# KiCad board panel.opm-inline.kicad_pcb (continued)
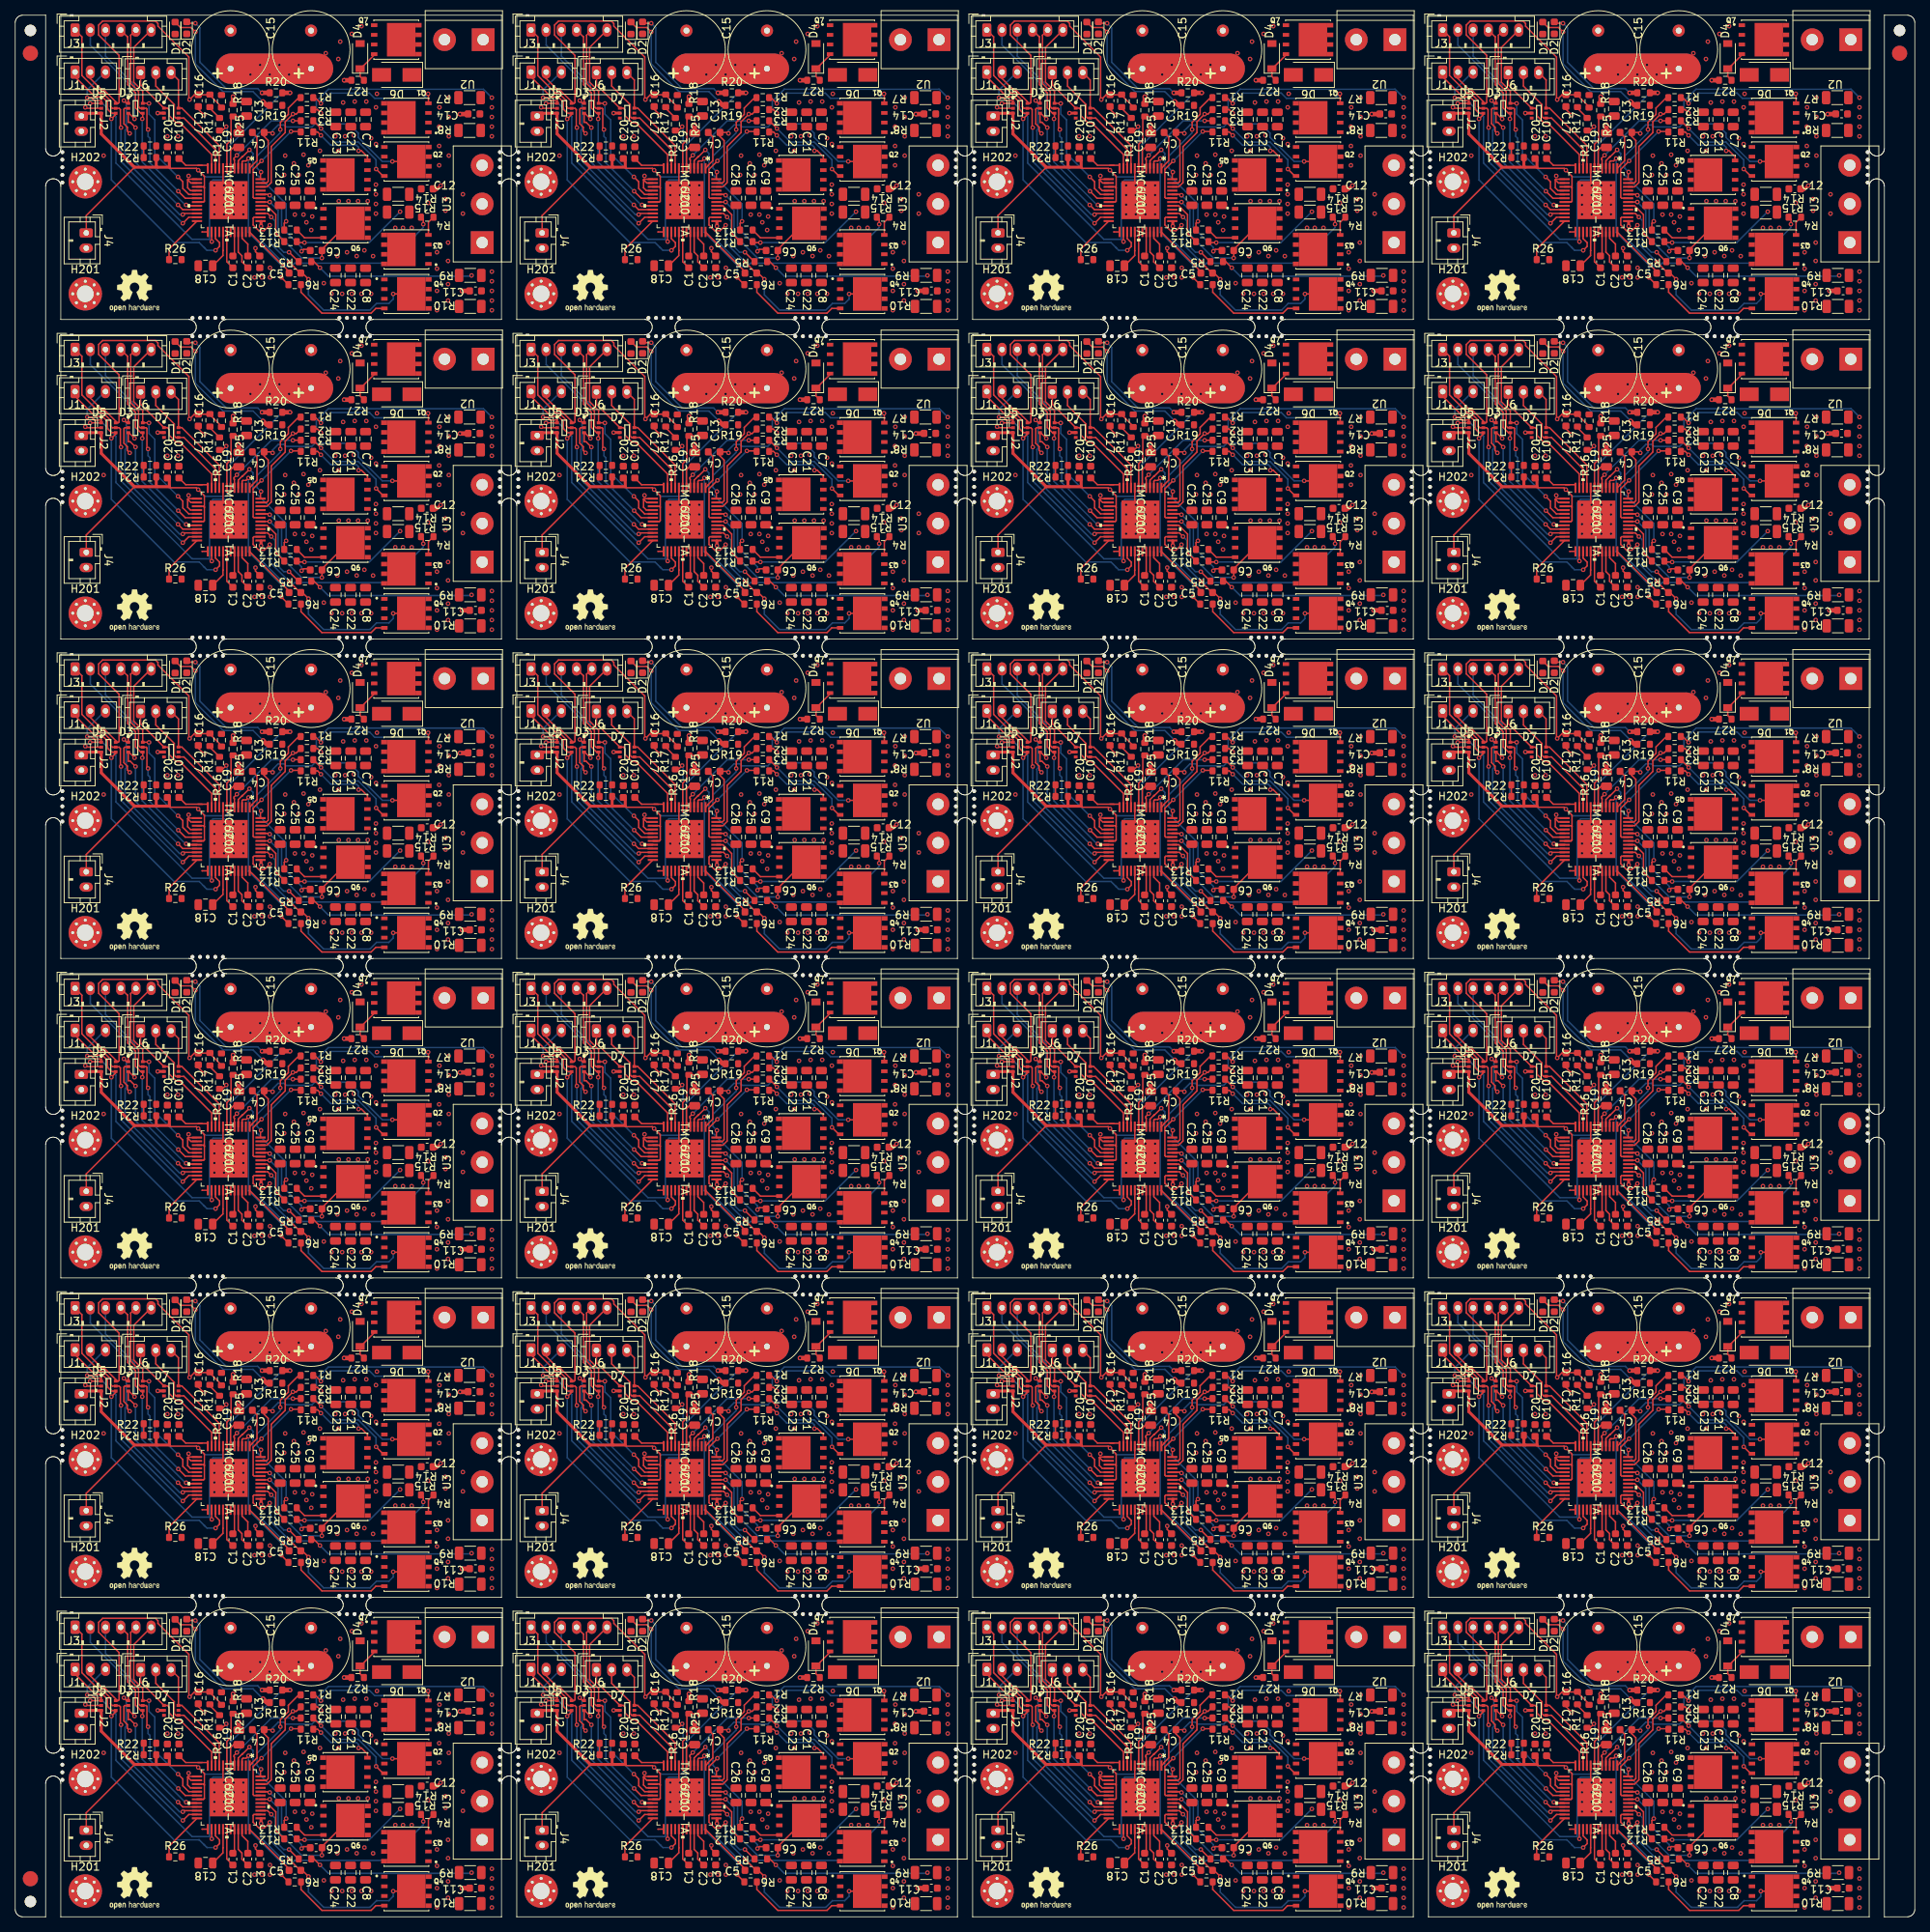
[diagram p0: board, top side]
## Placement (name value [footprint] x y rotation side) (continued)
REF**#473  -  [NPTH]  46.63 42.19 0 top
REF**#474  -  [NPTH]  163.54 84.18 0 top
REF**#475  -  [NPTH]  163.54 42.19 0 top
REF**#476  -  [NPTH]  85.27 126.17 0 top
REF**#477  -  [NPTH]  205.17 123.77 0 top
REF**#478  -  [NPTH]  243.61 231.96 0 top
REF**#479  -  [NPTH]  63.75 188.96 0 top
REF**#480  -  [NPTH]  165.54 84.18 0 top
REF**#481  -  [NPTH]  123.71 104.98 0 top
REF**#482  -  [NPTH]  222.49 126.17 0 top
REF**#483  -  [NPTH]  126.11 229.96 0 top
REF**#484  -  [NPTH]  126.11 228.96 0 top
REF**#485  -  [NPTH]  123.71 60.99 0 top
REF**#486  -  [NPTH]  84.27 84.18 0 top
REF**#487  -  [NPTH]  183.66 20 0 top
REF**#488  -  [NPTH]  243.61 227.96 0 top
REF**#489  -  [NPTH]  207.17 168.16 0 top
REF**#490  -  [NPTH]  183.66 22 0 top
REF**#491  -  [NPTH]  123.71 185.96 0 top
REF**#492  -  [NPTH]  224.49 123.77 0 top
REF**#493  -  [NPTH]  63.75 105.98 0 top
REF**#494  -  [NPTH]  126.11 189.96 0 top
REF**#495  -  [NPTH]  23.31 210.16 0 top
REF**#496  -  [NPTH]  243.61 143.97 0 top
REF**#497  -  [NPTH]  206.17 123.77 0 top
REF**#498  -  [NPTH]  44.63 81.78 0 top
REF**#499  -  [NPTH]  206.17 168.16 0 top
REF**#500  -  [NPTH]  183.66 104.98 0 top
REF**#501  -  [NPTH]  126.11 22 0 top
REF**#502  -  [NPTH]  63.75 63.99 0 top
REF**#503  -  [NPTH]  86.27 210.16 0 top
REF**#504  -  [NPTH]  63.75 145.97 0 top
REF**#505  -  [NPTH]  126.11 187.96 0 top
REF**#506  -  [NPTH]  6.2 143.97 0 top
REF**#507  -  [NPTH]  46.63 81.78 0 top
REF**#508  -  [NPTH]  126.11 21 0 top
REF**#509  -  [NPTH]  42.63 84.18 0 top
REF**#510  -  [NPTH]  243.61 21 0 top
REF**#511  -  [NPTH]  6.2 22 0 top
REF**#512  -  [NPTH]  27.31 210.16 0 top
REF**#513  -  [NPTH]  203.17 207.75 0 top
REF**#514  -  [NPTH]  66.16 59.99 0 top
REF**#515  -  [NPTH]  162.54 42.19 0 top
REF**#516  -  [NPTH]  123.71 187.96 0 top
REF**#517  -  [NPTH]  222.49 168.16 0 top
REF**#518  -  [NPTH]  103.59 207.75 0 top
REF**#519  -  [NPTH]  46.63 84.18 0 top
REF**#520  -  [NPTH]  225.49 165.76 0 top
REF**#521  -  [NPTH]  25.31 39.79 0 top
REF**#522  -  [NPTH]  104.59 168.16 0 top
REF**#523  -  [NPTH]  203.17 210.16 0 top
REF**#524  -  [NPTH]  205.17 42.19 0 top
REF**#525  -  [NPTH]  183.66 228.96 0 top
REF**#526  -  [NPTH]  223.49 210.16 0 top
REF**#527  -  [NPTH]  105.59 207.75 0 top
REF**#528  -  [NPTH]  27.31 123.77 0 top
REF**#529  -  [NPTH]  243.61 102.98 0 top
REF**#530  -  [NPTH]  126.11 231.96 0 top
REF**#531  -  [NPTH]  223.49 42.19 0 top
REF**#532  -  [NPTH]  243.61 20 0 top
REF**#533  -  [NPTH]  183.66 62.99 0 top
REF**#534  -  [NPTH]  43.63 123.77 0 top
REF**#535  -  [NPTH]  26.31 210.16 0 top
REF**#536  -  [NPTH]  24.31 81.78 0 top
REF**#537  -  [NPTH]  126.11 103.98 0 top
REF**#538  -  [NPTH]  224.49 42.19 0 top
REF**#539  -  [NPTH]  85.27 42.19 0 top
REF**#540  -  [NPTH]  24.31 168.16 0 top
REF**#541  -  [NPTH]  186.06 102.98 0 top
REF**#542  -  [NPTH]  126.11 102.98 0 top
REF**#543  -  [NPTH]  23.31 126.17 0 top
REF**#544  -  [NPTH]  183.66 144.97 0 top
REF**#545  -  [NPTH]  144.22 168.16 0 top
REF**#546  -  [NPTH]  205.17 39.79 0 top
REF**#547  -  [NPTH]  102.59 39.79 0 top
REF**#548  -  [NPTH]  46.63 210.16 0 top
REF**#549  -  [NPTH]  183.66 102.98 0 top
REF**#550  -  [NPTH]  147.22 84.18 0 top
REF**#551  -  [NPTH]  123.71 63.99 0 top
REF**#552  -  [NPTH]  25.31 84.18 0 top
REF**#553  -  [NPTH]  204.17 39.79 0 top
REF**#554  -  [NPTH]  106.59 42.19 0 top
REF**#555  -  [NPTH]  224.49 126.17 0 top
REF**#556  -  [NPTH]  186.06 227.96 0 top
REF**#557  -  [NPTH]  143.22 207.75 0 top
REF**#558  -  [NPTH]  63.75 228.96 0 top
REF**#559  -  [NPTH]  164.54 165.76 0 top
REF**#560  -  [NPTH]  66.16 20 0 top
REF**#561  -  [NPTH]  143.22 168.16 0 top
REF**#562  -  [NPTH]  203.17 165.76 0 top
REF**#563  -  [NPTH]  63.75 18 0 top
REF**#564  -  [NPTH]  27.31 81.78 0 top
REF**#565  -  [NPTH]  162.54 39.79 0 top
REF**#566  -  [NPTH]  63.75 147.97 0 top
REF**#567  -  [NPTH]  123.71 105.98 0 top
REF**#568  -  [NPTH]  43.63 81.78 0 top
REF**#569  -  [NPTH]  162.54 168.16 0 top
REF**#570  -  [NPTH]  66.16 104.98 0 top
REF**#571  -  [NPTH]  6.2 187.96 0 top
REF**#572  -  [NPTH]  144.22 81.78 0 top
REF**#573  -  [NPTH]  207.17 81.78 0 top
REF**#574  -  [NPTH]  83.27 165.76 0 top
REF**#575  -  [NPTH]  106.59 168.16 0 top
REF**#576  -  [NPTH]  6.2 230.96 0 top
REF**#577  -  [NPTH]  85.27 39.79 0 top
REF**#578  -  [NPTH]  66.16 62.99 0 top
REF**#579  -  [NPTH]  44.63 84.18 0 top
REF**#580  -  [NPTH]  165.54 165.76 0 top
REF**#581  -  [NPTH]  123.71 22 0 top
REF**#582  -  [NPTH]  243.61 62.99 0 top
REF**#583  -  [NPTH]  183.66 18 0 top
REF**#584  -  [NPTH]  224.49 207.75 0 top
REF**#585  -  [NPTH]  126.11 143.97 0 top
REF**#586  -  [NPTH]  66.16 186.96 0 top
REF**#587  -  [NPTH]  63.75 143.97 0 top
REF**#588  -  [NPTH]  87.27 207.75 0 top
REF**#589  -  [NPTH]  27.31 39.79 0 top
REF**#590  -  [NPTH]  225.49 207.75 0 top
REF**#591  -  [NPTH]  243.61 145.97 0 top
REF**#592  -  [NPTH]  123.71 62.99 0 top
REF**#593  -  [NPTH]  25.31 207.75 0 top
REF**#594  -  [NPTH]  206.17 84.18 0 top
REF**#595  -  [NPTH]  6.2 188.96 0 top
REF**#596  -  [NPTH]  207.17 123.77 0 top
REF**#597  -  [NPTH]  183.66 231.96 0 top
REF**#598  -  [NPTH]  166.54 42.19 0 top
REF**#599  -  [NPTH]  166.54 39.79 0 top
REF**#600  -  [NPTH]  63.75 102.98 0 top
REF**#601  -  [NPTH]  243.61 63.99 0 top
REF**#602  -  [NPTH]  147.22 126.17 0 top
REF**#603  -  [NPTH]  166.54 84.18 0 top
REF**#604  -  [NPTH]  24.31 84.18 0 top
REF**#605  -  [NPTH]  43.63 42.19 0 top
REF**#606  -  [NPTH]  6.2 62.99 0 top
REF**#607  -  [NPTH]  104.59 42.19 0 top
REF**#608  -  [NPTH]  183.66 105.98 0 top
REF**#609  -  [NPTH]  186.06 22 0 top
REF**#610  -  [NPTH]  164.54 210.16 0 top
REF**#611  -  [NPTH]  204.17 81.78 0 top
REF**#612  -  [NPTH]  243.61 60.99 0 top
REF**#613  -  [NPTH]  123.71 103.98 0 top
REF**#614  -  [NPTH]  206.17 207.75 0 top
REF**#615  -  [NPTH]  225.49 42.19 0 top
REF**#616  -  [NPTH]  204.17 165.76 0 top
REF**#617  -  [NPTH]  105.59 39.79 0 top
REF**#618  -  [NPTH]  186.06 187.96 0 top
REF**#619  -  [NPTH]  63.75 144.97 0 top
REF**#620  -  [NPTH]  146.22 210.16 0 top
REF**#621  -  [NPTH]  186.06 60.99 0 top
REF**#622  -  [NPTH]  222.49 84.18 0 top
REF**#623  -  [NPTH]  63.75 227.96 0 top
REF**#624  -  [NPTH]  45.63 207.75 0 top
REF**#625  -  [NPTH]  145.22 81.78 0 top
REF**#626  -  [NPTH]  26.31 84.18 0 top
REF**#627  -  [NPTH]  102.59 123.77 0 top
REF**#628  -  [NPTH]  183.66 147.97 0 top
REF**#629  -  [NPTH]  183.66 61.99 0 top
REF**#630  -  [NPTH]  44.63 210.16 0 top
REF**#631  -  [NPTH]  66.16 189.96 0 top
REF**#632  -  [NPTH]  25.31 81.78 0 top
REF**#633  -  [NPTH]  183.66 189.96 0 top
REF**#634  -  [NPTH]  123.71 61.99 0 top
REF**#635  -  [NPTH]  225.49 81.78 0 top
REF**#636  -  [NPTH]  203.17 168.16 0 top
REF**#637  -  [NPTH]  223.49 165.76 0 top
REF**#638  -  [NPTH]  164.54 168.16 0 top
REF**#639  -  [NPTH]  183.66 185.96 0 top
REF**#640  -  [Fiducial]  2 244.95 0 top
REF**#641  -  [NPTH]  162.54 210.16 0 top
REF**#642  -  [NPTH]  66.16 60.99 0 top
REF**#643  -  [NPTH]  106.59 207.75 0 top
REF**#644  -  [NPTH]  183.66 103.98 0 top
REF**#645  -  [NPTH]  63.75 61.99 0 top
REF**#646  -  [NPTH]  123.71 146.97 0 top
REF**#647  -  [Fiducial]  247.8 244.95 0 bottom
REF**#648  -  [Fiducial]  2 244.95 0 bottom
REF**#649  -  [Fiducial]  2 5 0 bottom
U2  TerminalBlock_2_P5.08mm  [TerminalBlock_bornier-2_P5.08mm]  241.39 120.77 180 top
U2#2  TerminalBlock_2_P5.08mm  [TerminalBlock_bornier-2_P5.08mm]  121.49 162.76 180 top
U2#3  TerminalBlock_2_P5.08mm  [TerminalBlock_bornier-2_P5.08mm]  181.44 120.77 180 top
U2#4  TerminalBlock_2_P5.08mm  [TerminalBlock_bornier-2_P5.08mm]  61.54 36.79 180 top
U2#5  TerminalBlock_2_P5.08mm  [TerminalBlock_bornier-2_P5.08mm]  241.39 78.78 180 top
U2#6  TerminalBlock_2_P5.08mm  [TerminalBlock_bornier-2_P5.08mm]  181.44 162.76 180 top
U2#7  TerminalBlock_2_P5.08mm  [TerminalBlock_bornier-2_P5.08mm]  121.49 36.79 180 top
U2#8  TerminalBlock_2_P5.08mm  [TerminalBlock_bornier-2_P5.08mm]  241.39 204.75 180 top
U2#9  TerminalBlock_2_P5.08mm  [TerminalBlock_bornier-2_P5.08mm]  181.44 36.79 180 top
U2#10  TerminalBlock_2_P5.08mm  [TerminalBlock_bornier-2_P5.08mm]  121.49 120.77 180 top
U2#11  TerminalBlock_2_P5.08mm  [TerminalBlock_bornier-2_P5.08mm]  181.44 246.74 180 top
U2#12  TerminalBlock_2_P5.08mm  [TerminalBlock_bornier-2_P5.08mm]  61.54 78.78 180 top
U2#13  TerminalBlock_2_P5.08mm  [TerminalBlock_bornier-2_P5.08mm]  61.54 120.77 180 top
U2#14  TerminalBlock_2_P5.08mm  [TerminalBlock_bornier-2_P5.08mm]  241.39 246.74 180 top
U2#15  TerminalBlock_2_P5.08mm  [TerminalBlock_bornier-2_P5.08mm]  241.39 162.76 180 top
U2#16  TerminalBlock_2_P5.08mm  [TerminalBlock_bornier-2_P5.08mm]  181.44 204.75 180 top
U2#17  TerminalBlock_2_P5.08mm  [TerminalBlock_bornier-2_P5.08mm]  121.49 78.78 180 top
U2#18  TerminalBlock_2_P5.08mm  [TerminalBlock_bornier-2_P5.08mm]  61.54 246.74 180 top
U2#19  TerminalBlock_2_P5.08mm  [TerminalBlock_bornier-2_P5.08mm]  121.49 204.75 180 top
U2#20  TerminalBlock_2_P5.08mm  [TerminalBlock_bornier-2_P5.08mm]  181.44 78.78 180 top
U2#21  TerminalBlock_2_P5.08mm  [TerminalBlock_bornier-2_P5.08mm]  121.49 246.74 180 top
U2#22  TerminalBlock_2_P5.08mm  [TerminalBlock_bornier-2_P5.08mm]  61.54 162.76 180 top
U2#23  TerminalBlock_2_P5.08mm  [TerminalBlock_bornier-2_P5.08mm]  241.39 36.79 180 top
U2#24  TerminalBlock_2_P5.08mm  [TerminalBlock_bornier-2_P5.08mm]  61.54 204.75 180 top
U3  TerminalBlock_3_P5.08mm  [TerminalBlock_bornier-3_P5.08mm]  181.31 136.09 90 top
U3#2  TerminalBlock_3_P5.08mm  [TerminalBlock_bornier-3_P5.08mm]  121.36 52.11 90 top
U3#3  TerminalBlock_3_P5.08mm  [TerminalBlock_bornier-3_P5.08mm]  241.26 94.1 90 top
U3#4  TerminalBlock_3_P5.08mm  [TerminalBlock_bornier-3_P5.08mm]  241.26 52.11 90 top
U3#5  TerminalBlock_3_P5.08mm  [TerminalBlock_bornier-3_P5.08mm]  61.41 10.12 90 top
U3#6  TerminalBlock_3_P5.08mm  [TerminalBlock_bornier-3_P5.08mm]  61.41 94.1 90 top
U3#7  TerminalBlock_3_P5.08mm  [TerminalBlock_bornier-3_P5.08mm]  121.36 178.08 90 top
U3#8  TerminalBlock_3_P5.08mm  [TerminalBlock_bornier-3_P5.08mm]  61.41 220.07 90 top
U3#9  TerminalBlock_3_P5.08mm  [TerminalBlock_bornier-3_P5.08mm]  241.26 136.09 90 top
U3#10  TerminalBlock_3_P5.08mm  [TerminalBlock_bornier-3_P5.08mm]  181.31 220.07 90 top
U3#11  TerminalBlock_3_P5.08mm  [TerminalBlock_bornier-3_P5.08mm]  121.36 94.1 90 top
U3#12  TerminalBlock_3_P5.08mm  [TerminalBlock_bornier-3_P5.08mm]  241.26 220.07 90 top
U3#13  TerminalBlock_3_P5.08mm  [TerminalBlock_bornier-3_P5.08mm]  61.41 136.09 90 top
U3#14  TerminalBlock_3_P5.08mm  [TerminalBlock_bornier-3_P5.08mm]  181.31 178.08 90 top
U3#15  TerminalBlock_3_P5.08mm  [TerminalBlock_bornier-3_P5.08mm]  61.41 52.11 90 top
U3#16  TerminalBlock_3_P5.08mm  [TerminalBlock_bornier-3_P5.08mm]  241.26 178.08 90 top
U3#17  TerminalBlock_3_P5.08mm  [TerminalBlock_bornier-3_P5.08mm]  121.36 10.12 90 top
U3#18  TerminalBlock_3_P5.08mm  [TerminalBlock_bornier-3_P5.08mm]  181.31 52.11 90 top
U3#19  TerminalBlock_3_P5.08mm  [TerminalBlock_bornier-3_P5.08mm]  181.31 10.12 90 top
U3#20  TerminalBlock_3_P5.08mm  [TerminalBlock_bornier-3_P5.08mm]  181.31 94.1 90 top
U3#21  TerminalBlock_3_P5.08mm  [TerminalBlock_bornier-3_P5.08mm]  241.26 10.12 90 top
U3#22  TerminalBlock_3_P5.08mm  [TerminalBlock_bornier-3_P5.08mm]  121.36 220.07 90 top
U3#23  TerminalBlock_3_P5.08mm  [TerminalBlock_bornier-3_P5.08mm]  121.36 136.09 90 top
U3#24  TerminalBlock_3_P5.08mm  [TerminalBlock_bornier-3_P5.08mm]  61.41 178.08 90 top

## Library data of the parts
C1 C1#2-C1#24 = -: LCSC: C313105; manf_num: CC0603KRX7R0BB223
C2 C2#2-C2#24 C3 C3#2-C3#24 C18 C18#2-C18#24 = -: LCSC: C106243; manf_num: CC0805KKX7R0BB104
C4 C4#2-C4#24 C5 C5#2-C5#24 C6 C6#2-C6#24 = -: LCSC: C19666; manf_num: CL10A475KO8NNNC
C7 C7#2-C7#24 C8 C8#2-C8#24 C9 C9#2-C9#24 C21 C21#2-C21#24 C22 C22#2-C22#24 C23 C23#2-C23#24 C24 C24#2-C24#24 C25 C25#2-C25#24 C26 C26#2-C26#24 = -: LCSC: C697607; manf_num  : HMK325C7475KN-TE
C10 C10#2-C10#24 C17 C17#2-C17#24 C20 C20#2-C20#24 = -: LCSC: C14663; manf_num: CC0603KRX7R9BB104
C11 C11#2-C11#24 C12 C12#2-C12#24 C14 C14#2-C14#24 = -: LCSC: C342905; manf_num: CGA3E2X7R2A102KT0Y0N
C13 C13#2-C13#24 C19 C19#2-C19#24 = -: LCSC: C49217; alt: UMK212BB7225KG-T; manf_num: 0805F225M500NT
C15 C15#2-C15#24 C16 C16#2-C16#24 = -: LCSC: C338235; manf_num: 63ZLH330MEFC10X23
D1 D1#2-D1#24 = -: Info: Green; LCSC: C72043; manf_num: 19-217/GHC-YR1S2/3T
D2 D2#2-D2#24 = -: Info: Red; LCSC: C2286; manf_num: KT-0603R
D3 D3#2-D3#24 D5 D5#2-D5#24 D7 D7#2-D7#24 = -: LCSC: C463643
D4 D4#2-D4#24 = -: LCSC: C82084; manf_num: MMSZ5240BT1G
D6 D6#2-D6#24 = -: LCSC: C523249; manf_num: SMA(DO-214AC)
H201 H201#2-H201#24 H202 H202#2-H202#24 IC1 IC1#2-IC1#24 = -: JLCPCB BOM: No
HS1 HS1#2-HS1#24 = -: back: Libraries:Heatsink_30x30mm_2xFixation3mm
J1 J1#2-J1#24 = -: LCSC: C131339; comment: copper when possible over brass; manf_num: B3B-PH-K-S(LF)(SN)
J2 J2#2-J2#24 J4 J4#2-J4#24 = -: LCSC: C131337; manf_num: B2B-PH-K-S(LF)(SN)
J3 J3#2-J3#24 = -: LCSC: C265365; comment: copper when possible over brass; manf_num: B6B-PH-KL(LF)(SN)
J6 J6#2-J6#24 = -: LCSC: C131339; manf_num: B3B-PH-K-S(LF)(SN)
Q1 Q1#2-Q1#24 Q2 Q2#2-Q2#24 Q3 Q3#2-Q3#24 Q4 Q4#2-Q4#24 Q5 Q5#2-Q5#24 Q6 Q6#2-Q6#24 = -: LCSC: C2827231
Q7 Q7#2-Q7#24 = -: LCSC: C719104
R1 R1#2-R1#24 R3 R3#2-R3#24 R4 R4#2-R4#24 R6 R6#2-R6#24 R11 R11#2-R11#24 R13 R13#2-R13#24 = -: LCSC: C22939; manf_num: 0603WAF220KT5E
R2 R2#2-R2#24 R5 R5#2-R5#24 R12 R12#2-R12#24 = -: LCSC: C22859; alt: AC0603FR-0710RL; manf_num: 0603WAF100JT5E
R7 R7#2-R7#24 R8 R8#2-R8#24 R9 R9#2-R9#24 R10 R10#2-R10#24 R14 R14#2-R14#24 R15 R15#2-R15#24 = -: LCSC: C601096; manf_num: HoLR1206-1W-5mR-1%-75ppm
R16 R16#2-R16#24 = -: LCSC: C13564; manf_num: NCP18XH103F03RB
R17 R17#2-R17#24 R18 R18#2-R18#24 = -: LCSC: C23162; manf_num: 0603WAF4701T5E
R19 R19#2-R19#24 R21 R21#2-R21#24 = -: LCSC: C21190; manf_num: 0603WAF1001T5E
R20 R20#2-R20#24 = -: LCSC: C22808; manf_num: 0603WAF1500T5E
R22 R22#2-R22#24 = -: LCPCB BOM: No
R25 R25#2-R25#24 R26 R26#2-R26#24 = -: LCSC: C21189; alt: RC0603FR-070RL; manf_num: 0603WAF0000T5E
R27 R27#2-R27#24 = -: LCSC: C25803; manf_num: 0603WAF1003T5E
U2 U2#2-U2#24 = -: LCSC: C8465; manf_num: WJ500V-5.08-2P
U3 U3#2-U3#24 = -: LCSC: C72334; manf_num: WJ500V-5.08-3P

## Footprints (pads in the part's own frame, mm; a bottom-side part is the same pattern mirrored in y, then rotated)
C_0603_1608Metric
  rrect 0.9x0.95 smd: 1(-0.775,0) 2(0.775,0)
C_0805_2012Metric
  rrect 1x1.45 smd: 1(-0.95,0) 2(0.95,0)
C_Radial_D10.0mm_H20.0mm_P5.00mm
  round 1.6 hole 0.8: 1(0,0) 2(5,0)
D_SMA
  rect 2.5x1.8 smd: 1(-2,0) 2(2,0)
D_SOD-123
  rect 0.9x1.2 smd: 1(-1.65,0) 2(1.65,0)
Fiducial
  round 2 smd: (0,0)
JST_PH_B2B-PH-K_1x02_P2.00mm_Vertical
  rrect 1.2x1.75 hole 0.75: 1(0,0)
  oval 1.2x1.75 hole 0.75: 2(2,0)
JST_PH_B3B-PH-K_1x03_P2.00mm_Vertical
  rrect 1.2x1.75 hole 0.75: 1(0,0)
  oval 1.2x1.75 hole 0.75: 2(2,0) 3(4,0)
JST_PH_B6B-PH-K_1x06_P2.00mm_Vertical
  rrect 1.2x1.75 hole 0.75: 1(0,0)
  oval 1.2x1.75 hole 0.75: 2(2,0) 3(4,0) 4(6,0) 5(8,0) 6(10,0)
LED_0603_1608Metric
  rrect 0.875x0.95 smd: 1(-0.787,0) 2(0.787,0)
MountingHole_2.2mm_M2_Pad_Via
  round 0.7 hole 0.4: 1(-1.65,0) 1(-1.167,1.167) 1(-1.167,-1.167) 1(0,1.65) 1(0,-1.65) 1(1.167,1.167) 1(1.167,-1.167) 1(1.65,0)
  round 4.4 hole 2.2: 1(0,0)
NPTH
  round 0.5 hole 0.5 unplated: (0,0)
NPTH#2
  round 1.5 hole 1.5 unplated: (0,0)
NUP4114UCW1T2G
  rect 0.5x0.4 smd: 1(-0.95,0.65) 2(-0.95,0) 3(-0.95,-0.65) 4(0.95,-0.65) 5(0.95,0) 6(0.95,0.65)
PDFN-8
  rect 0.85x0.5 smd: 1(-2.9,1.905) 2(-2.9,0.635) 3(-2.9,-0.635) 4(-2.9,-1.905)
  rect 3.75x4.41 smd: 5(0.65,0)
  rect 0.8x0.6 smd: 5(2.925,-1.905) 6(2.925,-0.635) 7(2.925,0.635) 8(2.925,1.905)
R_0603_1608Metric
  rrect 0.8x0.95 smd: 1(-0.825,0) 2(0.825,0)
R_1206_3216Metric
  rrect 1.125x1.75 smd: 1(-1.462,0) 2(1.462,0)
TerminalBlock_bornier-2_P5.08mm
  rect 3x3 hole 1.52: 1(0,0)
  round 3 hole 1.52: 2(5.08,0)
TerminalBlock_bornier-3_P5.08mm
  rect 3x3 hole 1.52: 1(0,0)
  round 3 hole 1.52: 2(5.08,0) 3(10.16,0)
TMC6200-TA
  rect 1.346x0.279 smd: 1(-4.178,2.75) 2(-4.178,2.25) 3(-4.178,1.75) 4(-4.178,1.25) 5(-4.178,0.75) 6(-4.178,0.25) 7(-4.178,-0.25) 8(-4.178,-0.75) 9(-4.178,-1.25) 10(-4.178,-1.75) 11(-4.178,-2.25) 12(-4.178,-2.75) 25(4.178,-2.75) 26(4.178,-2.25) 27(4.178,-1.75) 28(4.178,-1.25) 29(4.178,-0.75) 30(4.178,-0.25) 31(4.178,0.25) 32(4.178,0.75) 33(4.178,1.25) 34(4.178,1.75) 35(4.178,2.25) 36(4.178,2.75)
  rect 0.279x1.346 smd: 13(-2.75,-4.178) 14(-2.25,-4.178) 15(-1.75,-4.178) 16(-1.25,-4.178) 17(-0.75,-4.178) 18(-0.25,-4.178) 19(0.25,-4.178) 20(0.75,-4.178) 21(1.25,-4.178) 22(1.75,-4.178) 23(2.25,-4.178) 24(2.75,-4.178) 37(2.75,4.178) 38(2.25,4.178) 39(1.75,4.178) 40(1.25,4.178) 41(0.75,4.178) 42(0.25,4.178) 43(-0.25,4.178) 44(-0.75,4.178) 45(-1.25,4.178) 46(-1.75,4.178) 47(-2.25,4.178) 48(-2.75,4.178)
  rect 5.004x5.004 smd: EPAD(0,0)

## Nets
Board_0-/5Vout: C13#16.1 IC1#3.7 R25#18.1
Board_0-/12Vout: C19#8.1 IC1#3.6
Board_0-/+VCC_IO: C20#12.1 D5#18.3 IC1#3.15 IC1#3.19 J2#14.1 J4#11.1 R16#23.1 R21#9.1
Board_0-/Connectors/VCC: R19#14.2
Board_1-/5Vout: C13.1 IC1#16.7 R25.1
Board_1-/12Vout: C19#14.1 IC1#16.6
Board_1-/+VCC_IO: C20#7.1 D5#2.3 IC1#16.15 IC1#16.19 J2#23.1 J4#18.1 R16#11.1 R21#23.1
Board_1-/Connectors/VCC: R19.2
Board_2-/5Vout: C13#3.1 IC1#11.7 R25#6.1
Board_2-/12Vout: C19#20.1 IC1#11.6
Board_2-/+VCC_IO: C20#16.1 D5#19.3 IC1#11.15 IC1#11.19 J2#18.1 J4#7.1 R16#12.1 R21#7.1
Board_2-/Connectors/VCC: R19#6.2
Board_3-/5Vout: C13#11.1 IC1#10.7 R25#4.1
Board_3-/12Vout: C19#22.1 IC1#10.6
Board_3-/+VCC_IO: C20#8.1 D5#3.3 IC1#10.15 IC1#10.19 J2#7.1 J4#16.1 R16#3.1 R21#18.1
Board_3-/Connectors/VCC: R19#3.2
Board_4-/5Vout: C13#18.1 IC1#12.7 R25#10.1
Board_4-/12Vout: C19#6.1 IC1#12.6
Board_4-/+VCC_IO: C20#15.1 D5#22.3 IC1#12.15 IC1#12.19 J2#3.1 J4#17.1 R16.1 R21#17.1
Board_4-/Connectors/VCC: R19#22.2
Board_5-/5Vout: C13#14.1 IC1#7.7 R25#5.1
Board_5-/12Vout: C19#21.1 IC1#7.6
Board_5-/+VCC_IO: C20#22.1 D5#21.3 IC1#7.15 IC1#7.19 J2#17.1 J4#15.1 R16#7.1 R21#5.1
Board_5-/Connectors/VCC: R19#16.2
Board_6-/5Vout: C13#17.1 IC1#5.7 R25#15.1
Board_6-/12Vout: C19#5.1 IC1#5.6
Board_6-/+VCC_IO: C20#20.1 D5#10.3 IC1#5.15 IC1#5.19 J2#2.1 J4#21.1 R16#22.1 R21#21.1
Board_6-/Connectors/VCC: R19#11.2
Board_7-/5Vout: C13#22.1 IC1#6.7 R25#12.1
Board_7-/12Vout: C19#11.1 IC1#6.6
Board_7-/+VCC_IO: C20.1 D5#7.3 IC1#6.15 IC1#6.19 J2#13.1 J4#14.1 R16#20.1 R21#3.1
Board_7-/Connectors/VCC: R19#17.2
Board_8-/5Vout: C13#4.1 IC1#23.7 R25#8.1
Board_8-/12Vout: C19#3.1 IC1#23.6
Board_8-/+VCC_IO: C20#3.1 D5#24.3 IC1#23.15 IC1#23.19 J2#15.1 J4#3.1 R16#6.1 R21#24.1
Board_8-/Connectors/VCC: R19#15.2
Board_9-/5Vout: C13#9.1 IC1#13.7 R25#24.1
Board_9-/12Vout: C19#13.1 IC1#13.6
Board_9-/+VCC_IO: C20#9.1 D5#6.3 IC1#13.15 IC1#13.19 J2#20.1 J4#13.1 R16#19.1 R21#14.1
Board_9-/Connectors/VCC: R19#21.2
Board_10-/5Vout: C13#21.1 IC1#4.7 R25#22.1
Board_10-/12Vout: C19#2.1 IC1#4.6
Board_10-/+VCC_IO: C20#21.1 D5#5.3 IC1#4.15 IC1#4.19 J2#19.1 J4#12.1 R16#24.1 R21#11.1
Board_10-/Connectors/VCC: R19#19.2
Board_11-/5Vout: C13#10.1 IC1#8.7 R25#19.1
Board_11-/12Vout: C19#7.1 IC1#8.6
Board_11-/+VCC_IO: C20#11.1 D5#16.3 IC1#8.15 IC1#8.19 J2#5.1 J4#6.1 R16#15.1 R21#16.1
Board_11-/Connectors/VCC: R19#8.2
Board_12-/5Vout: C13#24.1 IC1#22.7 R25#11.1
Board_12-/12Vout: C19#10.1 IC1#22.6
Board_12-/+VCC_IO: C20#18.1 D5#9.3 IC1#22.15 IC1#22.19 J2#6.1 J4#10.1 R16#13.1 R21#2.1
Board_12-/Connectors/VCC: R19#24.2
Board_13-/5Vout: C13#8.1 IC1#19.7 R25#17.1
Board_13-/12Vout: C19.1 IC1#19.6
Board_13-/+VCC_IO: C20#6.1 D5#15.3 IC1#19.15 IC1#19.19 J2#4.1 J4.1 R16#21.1 R21#13.1
Board_13-/Connectors/VCC: R19#23.2
Board_14-/5Vout: C13#2.1 IC1.7 R25#21.1
Board_14-/12Vout: C19#12.1 IC1.6
Board_14-/+VCC_IO: C20#2.1 D5#20.3 IC1.15 IC1.19 J2#24.1 J4#20.1 R16#9.1 R21#6.1
Board_14-/Connectors/VCC: R19#18.2
Board_15-/5Vout: C13#7.1 IC1#9.7 R25#9.1
Board_15-/12Vout: C19#17.1 IC1#9.6
Board_15-/+VCC_IO: C20#10.1 D5#4.3 IC1#9.15 IC1#9.19 J2#11.1 J4#24.1 R16#10.1 R21#8.1
Board_15-/Connectors/VCC: R19#10.2
Board_16-/5Vout: C13#13.1 IC1#2.7 R25#14.1
Board_16-/12Vout: C19#23.1 IC1#2.6
Board_16-/+VCC_IO: C20#23.1 D5.3 IC1#2.15 IC1#2.19 J2.1 J4#5.1 R16#8.1 R21#10.1
Board_16-/Connectors/VCC: R19#4.2
Board_17-/5Vout: C13#6.1 IC1#21.7 R25#3.1
Board_17-/12Vout: C19#9.1 IC1#21.6
Board_17-/+VCC_IO: C20#14.1 D5#14.3 IC1#21.15 IC1#21.19 J2#22.1 J4#4.1 R16#2.1 R21.1
Board_17-/Connectors/VCC: R19#2.2
Board_18-/5Vout: C13#20.1 IC1#20.7 R25#13.1
Board_18-/12Vout: C19#15.1 IC1#20.6
Board_18-/+VCC_IO: C20#13.1 D5#13.3 IC1#20.15 IC1#20.19 J2#9.1 J4#22.1 R16#17.1 R21#12.1
Board_18-/Connectors/VCC: R19#12.2
Board_19-/5Vout: C13#15.1 IC1#18.7 R25#20.1
Board_19-/12Vout: C19#24.1 IC1#18.6
Board_19-/+VCC_IO: C20#24.1 D5#23.3 IC1#18.15 IC1#18.19 J2#8.1 J4#23.1 R16#16.1 R21#4.1
Board_19-/Connectors/VCC: R19#9.2
Board_20-/5Vout: C13#19.1 IC1#14.7 R25#7.1
Board_20-/12Vout: C19#16.1 IC1#14.6
Board_20-/+VCC_IO: C20#4.1 D5#11.3 IC1#14.15 IC1#14.19 J2#21.1 J4#9.1 R16#18.1 R21#20.1
Board_20-/Connectors/VCC: R19#20.2
Board_21-/5Vout: C13#5.1 IC1#24.7 R25#16.1
Board_21-/12Vout: C19#4.1 IC1#24.6
Board_21-/+VCC_IO: C20#5.1 D5#17.3 IC1#24.15 IC1#24.19 J2#12.1 J4#8.1 R16#14.1 R21#19.1
Board_21-/Connectors/VCC: R19#5.2
Board_22-/5Vout: C13#23.1 IC1#17.7 R25#2.1
Board_22-/12Vout: C19#18.1 IC1#17.6
Board_22-/+VCC_IO: C20#19.1 D5#12.3 IC1#17.15 IC1#17.19 J2#16.1 J4#2.1 R16#5.1 R21#22.1
Board_22-/Connectors/VCC: R19#7.2
Board_23-/5Vout: C13#12.1 IC1#15.7 R25#23.1
Board_23-/12Vout: C19#19.1 IC1#15.6
Board_23-/+VCC_IO: C20#17.1 D5#8.3 IC1#15.15 IC1#15.19 J2#10.1 J4#19.1 R16#4.1 R21#15.1
Board_23-/Connectors/VCC: R19#13.2
Board_0-/+VM: C2#3.1 C3#21.1 C7#24.1 C8#22.1 C9#11.1 C15#14.1 C16#23.1 C21#13.1 C22#17.1 C23#16.1 C24#17.1 C25#6.1 C26#7.1 D4#24.2 IC1#3.33 Q1#6.5 Q1#6.6 Q1#6.7 Q1#6.8 Q3#20.5 Q3#20.6 Q3#20.7 Q3#20.8 Q5#4.5 Q5#4.6 Q5#4.7 Q5#4.8 Q7#12.1 Q7#12.2 Q7#12.3 R25#18.2
Board_0-/ADC_I_u: D7#8.6 IC1#3.9 J6#11.3
Board_0-/ADC_I_v: D7#8.4 IC1#3.10 J6#11.2
Board_0-/ADC_I_w: D7#8.1 IC1#3.11 J6#11.1
Board_0-/Connectors/VOFS: R21#9.2 R22#2.1
Board_0-/DRV_EN: D5#18.4 IC1#3.27 J1#9.1
Board_0-/FAULT: D5#18.1 IC1#3.26 J1#9.3 R20#9.2
Board_0-/Motor Driver/VOFS: C10#13.1 IC1#3.12
Board_0-/TEMP_PCB: C17#9.1 D5#18.6 J1#9.2 R17#19.2 R18#20.1
Board_0-/U: C14#21.1 R2.1 R7#11.1 R8.1 U3#8.3
Board_0-/UH: D3#9.6 IC1#3.17 J3#13.6
Board_0-/UL: D3#9.5 IC1#3.18 J3#13.5
Board_0-/V: C12#12.1 R12#18.1 R14#16.1 R15#5.1 U3#8.2
Board_0-/VH: D3#9.4 IC1#3.20 J3#13.4
Board_0-/VL: D3#9.3 IC1#3.21 J3#13.3
Board_0-/VSA: C18#4.1 IC1#3.29
Board_0-/W: C11#20.1 R5#17.1 R9#22.1 R10#11.1 U3#8.1
Board_0-/WH: D3#9.1 IC1#3.22 J3#13.2
Board_0-/WL: D5#18.5 IC1#3.23 J3#13.1
Board_0-GND: C3#21.2 C7#24.2 C8#22.2 C9#11.2 C10#13.2 C11#20.2 C12#12.2 C13#16.2 C14#21.2 C15#14.2 C16#23.2 C17#9.2 C18#4.2 C19#8.2 C20#12.2 C21#13.2 C22#17.2 C23#16.2 C24#17.2 C25#6.2 C26#7.2 D1#2.1 D2#19.1 D3#9.2 D5#18.2 D6#2.1 D7#8.2 H201#3.1 H202#24.1 IC1#3.8 IC1#3.13 IC1#3.14 IC1#3.16 IC1#3.25 IC1#3.EPAD J2#14.2 J4#11.2 Q2#5.1 Q2#5.2 Q2#5.3 Q4#16.1 Q4#16.2 Q4#16.3 Q6#14.1 Q6#14.2 Q6#14.3 R18#20.2 R22#2.2 R26#12.2 R27#20.2 U2#18.1
Board_0-Net-(C1-Pad1): C1#10.1 IC1#3.30
Board_0-Net-(C1-Pad2): C1#10.2 IC1#3.32
Board_0-Net-(C2-Pad2): C2#3.2 IC1#3.34
Board_0-Net-(C4-Pad1): C4#19.1 IC1#3.47 Q1#6.1 Q1#6.2 Q1#6.3 Q2#5.5 Q2#5.6 Q2#5.7 Q2#5.8 R7#11.2 R8.2
Board_0-Net-(C4-Pad2): C4#19.2 IC1#3.1
Board_0-Net-(C5-Pad1): C5#13.1 IC1#3.36
Board_0-Net-(C5-Pad2): C5#13.2 IC1#3.38 Q3#20.1 Q3#20.2 Q3#20.3 Q4#16.5 Q4#16.6 Q4#16.7 Q4#16.8 R9#22.2 R10#11.2
Board_0-Net-(C6-Pad1): C6#23.1 IC1#3.42 Q5#4.1 Q5#4.2 Q5#4.3 Q6#14.5 Q6#14.6 Q6#14.7 Q6#14.8 R14#16.2 R15#5.2
Board_0-Net-(C6-Pad2): C6#23.2 IC1#3.44
Board_0-Net-(D1-Pad2): D1#2.2 R19#14.1
Board_0-Net-(D2-Pad2): D2#19.2 R20#9.1
Board_0-Net-(D4-Pad1): D4#24.1 Q7#12.4 R27#20.1
Board_0-Net-(D6-Pad2): D6#2.2 Q7#12.5 Q7#12.6 Q7#12.7 Q7#12.8 U2#18.2
Board_0-Net-(IC1-Pad3): IC1#3.3 R6#11.2
Board_0-Net-(IC1-Pad4): IC1#3.4 R13#5.2
Board_0-Net-(IC1-Pad5): IC1#3.5 R3#3.2
Board_0-Net-(IC1-Pad24): IC1#3.24 R26#12.1
Board_0-Net-(IC1-Pad37): IC1#3.37 R4#7.2
Board_0-Net-(IC1-Pad39): IC1#3.39 R5#17.2
Board_0-Net-(IC1-Pad41): IC1#3.41 R12#18.2
Board_0-Net-(IC1-Pad43): IC1#3.43 R11#5.2
Board_0-Net-(IC1-Pad46): IC1#3.46 R2.2
Board_0-Net-(IC1-Pad48): IC1#3.48 R1#8.2
Board_0-Net-(Q1-Pad4): Q1#6.4 R1#8.1
Board_0-Net-(Q2-Pad4): Q2#5.4 R3#3.1
Board_0-Net-(Q3-Pad4): Q3#20.4 R4#7.1
Board_0-Net-(Q4-Pad4): Q4#16.4 R6#11.1
Board_0-Net-(Q5-Pad4): Q5#4.4 R11#5.1
Board_0-Net-(Q6-Pad4): Q6#14.4 R13#5.1
Board_0-Net-(R16-Pad2): R16#23.2 R17#19.1
Board_0-unconnected-(D7-Pad3): D7#8.3
Board_0-unconnected-(D7-Pad5): D7#8.5
Board_1-/+VM: C2#6.1 C3#6.1 C7#22.1 C8#3.1 C9#6.1 C15#21.1 C16#16.1 C21#21.1 C22#10.1 C23#24.1 C24#16.1 C25#17.1 C26#10.1 D4#7.2 IC1#16.33 Q1#3.5 Q1#3.6 Q1#3.7 Q1#3.8 Q3#2.5 Q3#2.6 Q3#2.7 Q3#2.8 Q5#12.5 Q5#12.6 Q5#12.7 Q5#12.8 Q7#23.1 Q7#23.2 Q7#23.3 R25.2
Board_1-/ADC_I_u: D7#21.6 IC1#16.9 J6#21.3
Board_1-/ADC_I_v: D7#21.4 IC1#16.10 J6#21.2
Board_1-/ADC_I_w: D7#21.1 IC1#16.11 J6#21.1
Board_1-/Connectors/VOFS: R21#23.2 R22#4.1
